# Altium PCB 400501.PcbDoc (part 3 of 4)
Units mm, origin at the board's own origin, x right, y up, seen from the top; angles counter-clockwise.
Board outline 53 x 53 mm, 4 copper layers (Top Layer, Mid-Layer 1, Mid-Layer 2, Bottom Layer), stack 1.518 mm thick; 236 components, 152 nets, 829 pads, 1158 vias.
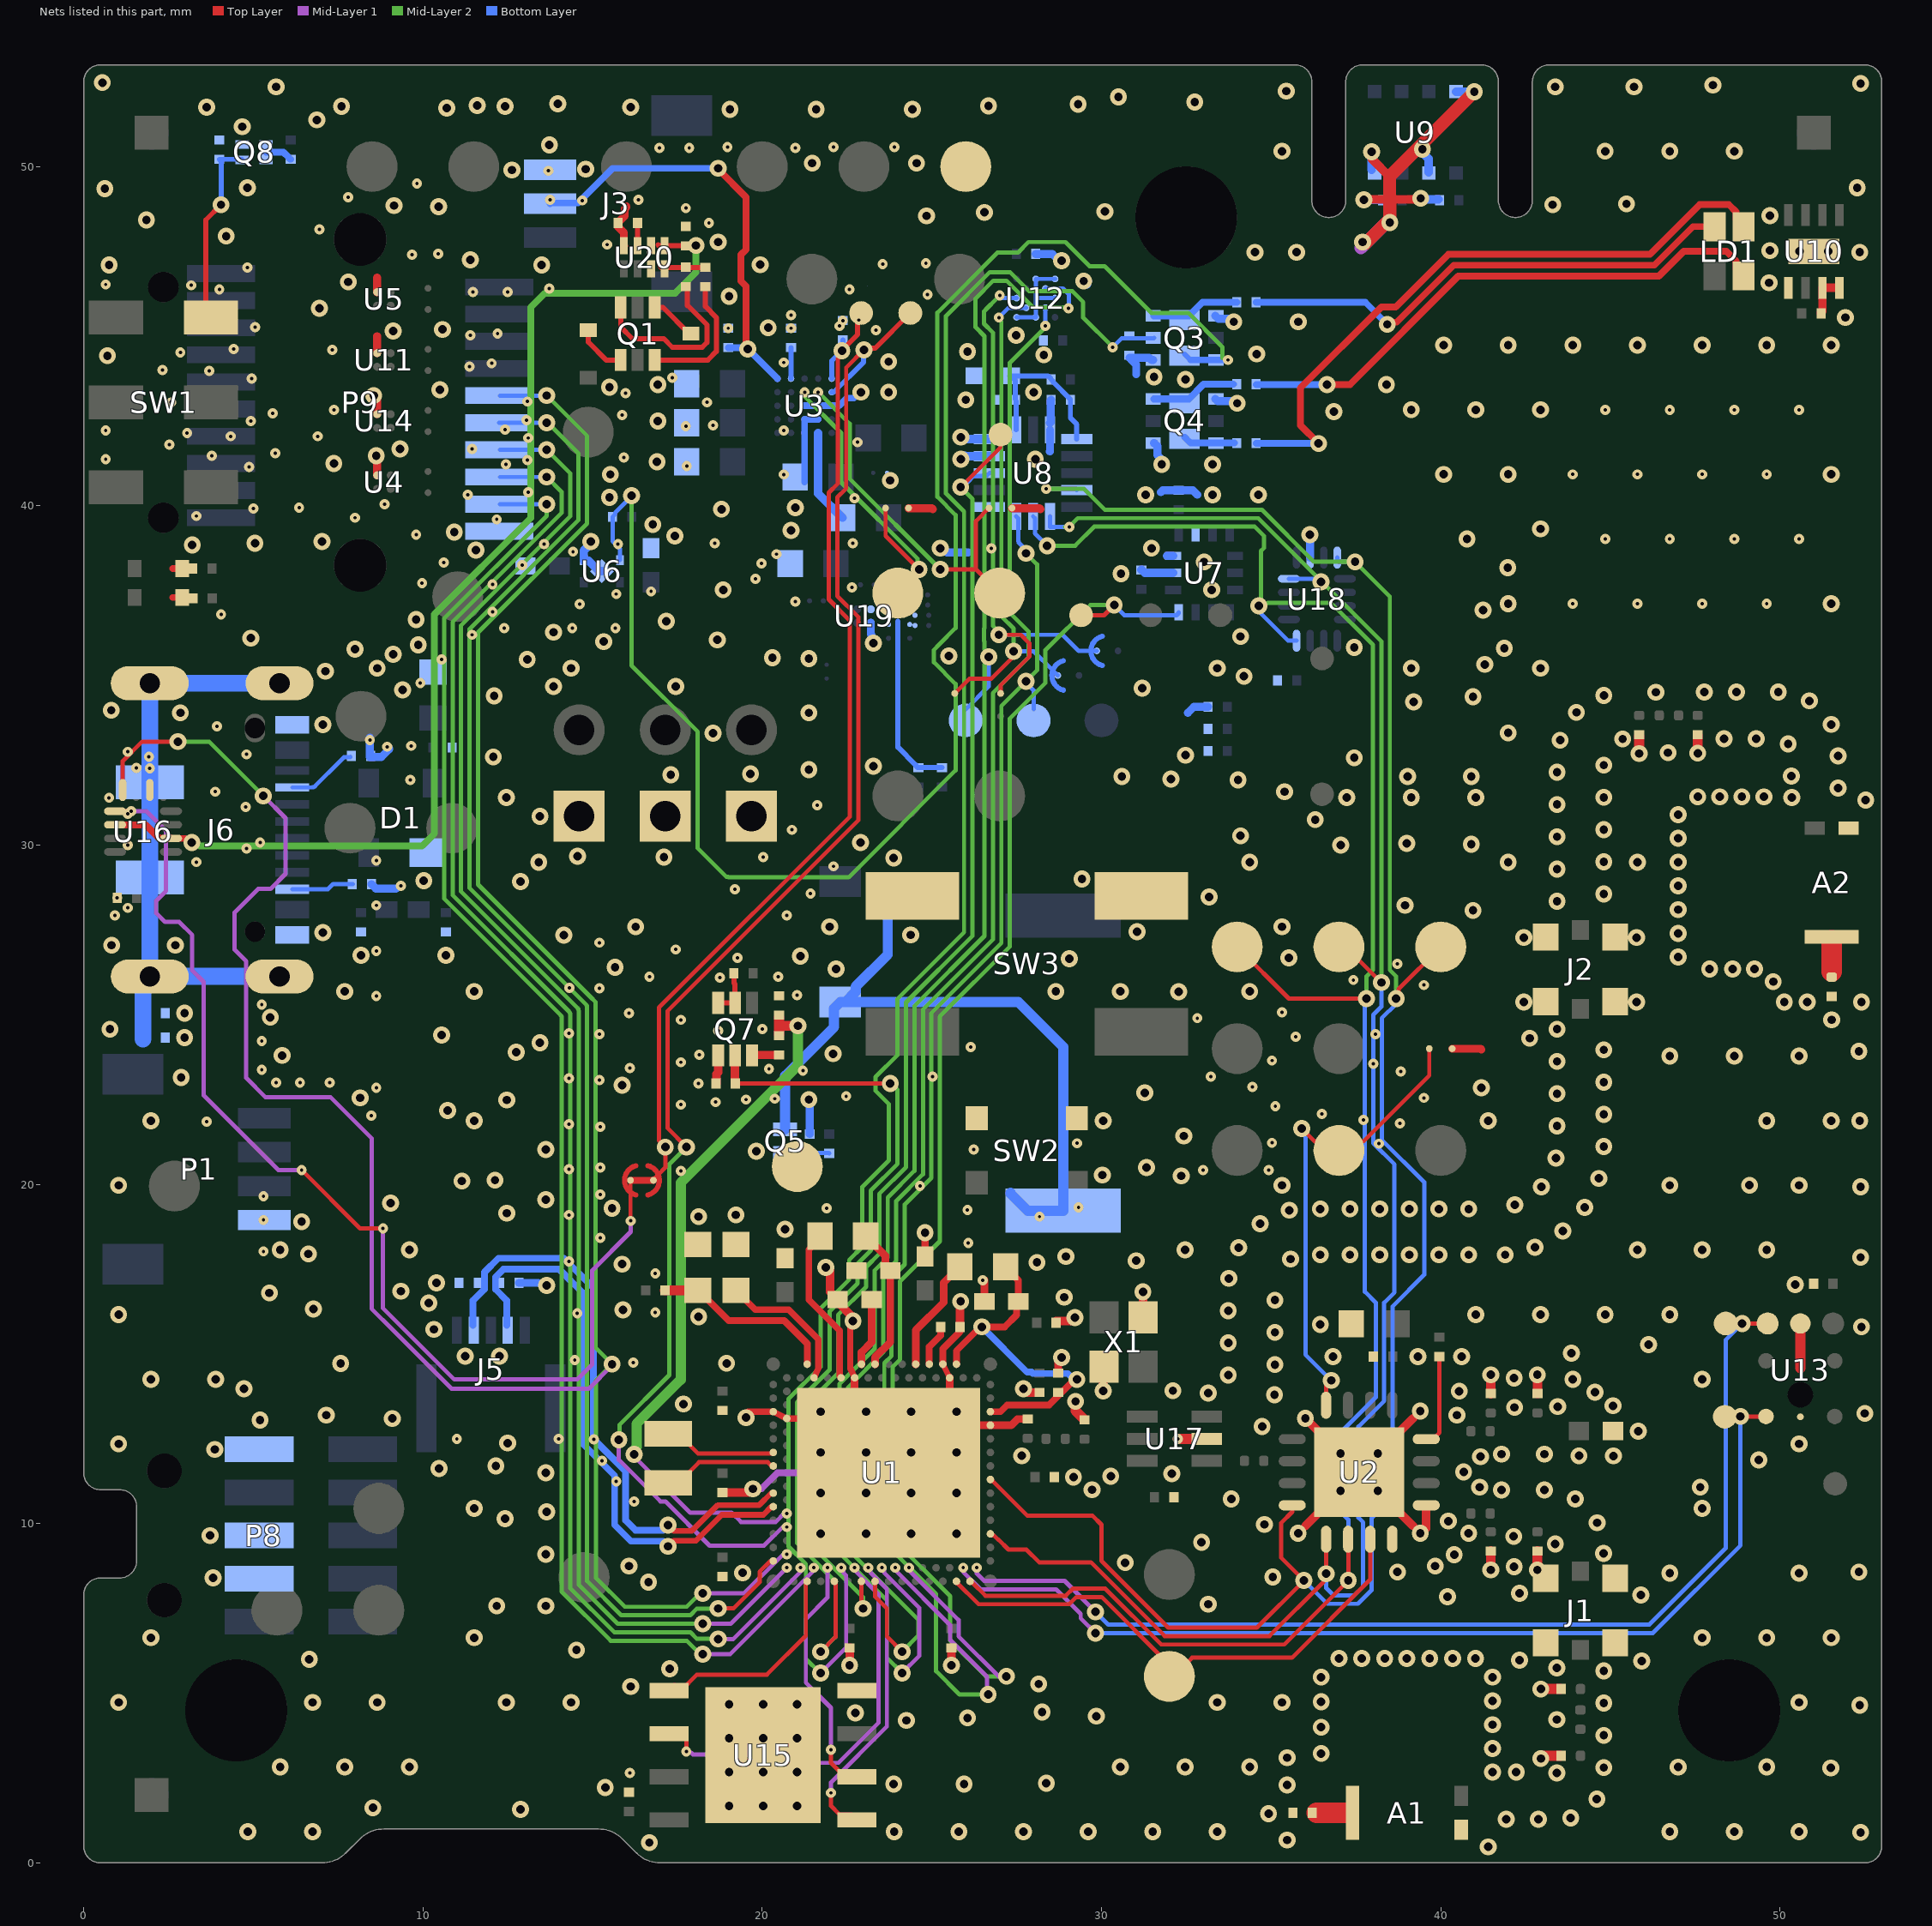
[diagram p5: the nets of this part, all layers, seen from the top]

## Via types
v1: diameter 0.5, hole 0.25, Top Layer to Bottom Layer, tented both sides, 843 vias
v2: diameter 0.3, hole 0.1, Top Layer to Mid-Layer 1, tented both sides, 281 vias
v3: diameter 0.3, hole 0.1, Mid-Layer 2 to Bottom Layer, tented both sides, 34 vias

## Nets (pads, with @x,y where several pads share a name; then routed paths per layer and width w, separated by ;. In a path a pad name is that pad's centre, name@x,y a point inside that pad or via, vN(x,y) a via of type N, cw(c..) or ccw(c..) an arc to the next point about the centre after c; other vN are vias at no path point) (continued)
GND: A1.2 A2.2 C1.1 C2.2 C3.1 C4.2 C5.1 C6.2 C7.1 C8.2 C9.2 C10.2 C11.2 C12.2 C13.2 C14.2 C15.2 C16.1 C17.2 C18.2 C19.1 C20.1 C21.1 C22.1 C23.1 C24.1 C26.1 C27.1 C28.1 C29.1 C30.2 C31.1 C32.2 C33.1 C34.1 C36.1 C37.1 C38.1 C39.1 C40.1 C41.1 C42.1 C43.1 C44.1 C45.1 C46.1 C47.1 C49.1 C50.1 C51.1 C52.1 C53.1 C54.2 C55.2 C56.2 C57.1 C58.1 C59.2 C60.2 C61.2 C62.2 D1.1 J1.2 J2.2 J3.1 J4.1 J6.1 J6.12 L7.1 P1.1 P3.1 P4.1 P5.1 P8.3 P8.5 P8.9 P9.20 Q3.1 Q3.4 Q4.1 Q4.4 Q5.2 Q7.1 Q8.2 R2.1 R7.1 R9.2 R15.1 R16.1 R20.1 R25.1 R27.1 R28.1 R29.1 R30.1 R31.1 R44.1 R45.1 R46.1 R48.2 SB6.2 SB8.2 SB9.2 SW2.1 SW3.1 TP17.1 TP21.1 U1.104 U1.A25 U1.B12 U1.B26 U1.G1 U1.H2 U1.J31 U2.1 U2.16 U2.17 U3.C3 U3.C4 U3.C5 U4.B1 U5.B1 U6.2 U6.5 U7.6 U7.7 U8.12 U8.13 U8.16 U9.1 U9.5 U9.7 U10.1 U10.3 U10.4 U10.9 U11.B1 U12.A5 U12.C1 U12.C5 U12.E1 U12.E3 U13.7 U13.8 U14.B1 U15.4 U15.9 U16.6 U17.2 U18.6 U19.B1 U20.8 X1.2 X1.4 | length 79.8
  Top Layer w0.165: U1.A25@25.325,14.7 U1.B26@25.525,14.3
  Top Layer w0.187: v1@19.584,13.3 U1.G1@20.325,13.3 U1.H2@20.725,13.1 U1.104@21.425,13.1 ; 22.594,14.57 U1.B12@22.725,14.3 ; 22.594,14.574 v1@22.594,15.9
  Top Layer w0.2: U1.A25@25.325,14.7 25.325,15.15 25.4,15.225 25.4,15.228 25.829,15.657 C6.2@25.829,15.8
  Top Layer w0.225: U1.104@22.325,12.9 U1.104@23.725,11.5 U1.104@24.02,11.5 ; U1.104@22.725,12.9 U1.B12@22.725,14.3 ; C2.2@24.8,17.85 24.8,18.425 v1@24.875,18.5 ; U1.104@25.125,12.9 27.34,12.9 27.525,13.085 C1.1@27.825,13.085 ; U1.104@25.525,12.9 U1.B26@25.525,14.3 ; v1(27.7,13.975) v1@27.81,13.865 ; C4.2@28.725,14.435 28.725,14.825 v1@28.8,14.9 ; v1@29.175,15.975 29.19,15.99 v1@29.19,16.072
  Top Layer w0.235: U4.B1@8.65,40.9 v1@8.65,41.4 ; U14.B1@8.65,42.7 v1@8.65,43.175 ; U11.B1@8.65,44.5 8.65,45 ; U5.B1@8.65,46.3 8.65,46.725 ; C62.2@15.755,48.222 15.923,48.055 15.923,47.667 U20.8@15.925,47.665 ; C62.2@15.755,48.337 15.755,48.352 15.948,48.545 15.948,48.751 16,48.804 16,48.825 ; SB9.2@24.313,39.925 25,39.925 25.025,39.9 ; C3.1@26.55,16.55 v2@26.55,17.175 ; SB8.2@27.363,39.925 28.175,39.925 28.2,39.9 ; SB6.2@40.338,24 41.175,24 41.2,23.975
  Top Layer w0.25: R25.1@18.64,22.975 18.65,22.985 18.65,23.25 18.7,23.3 Q7.1@18.7,23.8 ; C7.1@22.225,16.525 22.65,16.1 v1@22.65,15.95 ; C6.2@25.825,15.8 v1@25.825,16.55 ; v1@27.81,13.865 C14.2@28.175,13.865 ; C15.2@28.66,15.975 v1@29.175,15.975 ; C42.1@51.21,45.675 51.21,45.69 51.25,45.73 U10.3@51.25,46.425 U10.4@51.75,46.425
  Top Layer w0.254: C9.2@18.825,10.915 19.615,10.915 v1(19.725,11.025) ; v1@22,17.45 22,16.83 C7.1@22.225,16.605 ; v1(22.577,5.825) C11.2@22.577,6.34 ; v1(25.575,5.825) C12.2@25.575,6.34 ; v1@30.053,13.888 30.053,14.608 X1.4@30.075,14.63 ; v1(31.222,16.834) 31.222,16.084 X1.2@31.225,16.08 ; 36.011,9.931 v1(37.047,10.967) ; v1(36.011,13.103) v1(37.047,12.067) U2.17@37.597,11.517 ; v1@37.708,49.039 38.489,49.039 ; v1@37.962,50.359 37.98,50.341 37.98,50.214 38.489,49.705 ; v1(38.147,10.967) 39.183,9.931 ; v1(38.147,12.067) 39.183,13.103 ; 38.641,49.039 v1@39.485,49.039 ; v1@39.572,9.86 U2.1@39.572,10.542
  Top Layer w0.279: v1@41.472,8.744 C26.1@41.472,9.197 ; C27.1@41.472,13.83 v1@41.472,14.283 ; J1.2@42.847,8.744 C28.1@42.847,9.197 ; C29.1@42.85,13.835 v1@42.85,14.288
  Top Layer w0.3: v1(29.236,13.604) 29.236,13.324 C21.1@29.475,13.085 ; v2(32.248,12.5) U17.2@33.1,12.5 ; v1@42.95,3.159 C31.1@43.515,3.159 ; v1@42.984,5.125 L7.1@43.524,5.125 ; v1@45.85,32.658 C20.1@45.85,33.193 ; v1(47.575,32.71) C22.1@47.575,33.22 ; 50.6,14.58 U13.7@50.6,15.9
  Top Layer w0.381: v1@37.8,47.75 38.489,48.439 38.5,48.428 v1(38.5,48.35) 38.5,49.027 38.489,49.039 38.489,49.705 v1(40.99,52.206)
  Mid-Layer 1 w0.2: v1(19.725,11.025) 19.975,11.025 20.45,11.5 21.4,11.5
  Mid-Layer 1 w0.381: v1@37.65,47.6 38.489,48.439 38.5,48.428 v1(38.5,48.35)
  Bottom Layer w0.125: U12.A5@27.499,45.556 U12.C5@28.065,45.556 28.065,46.122 ; C51.1@28.06,47.425 C51.1@28.065,47.42 ; U12.E3@28.631,46.122 28.065,46.122 ; U12.E1@28.631,46.688 U12.C1@28.065,46.688 28.065,46.122
  Bottom Layer w0.2: U3.C3@21.25,42.95 U3.C4@21.65,42.95 U3.C5@22.05,42.95 22.266,42.95 22.491,43.175 22.7,43.175
  Bottom Layer w0.235: v3@8.435,33.165 8.435,32.6 8.775,32.6 9,32.825 9,32.85 v3(8.95,32.9) ; R27.1@8.485,28.85 8.615,28.72 9.205,28.72 ; C56.2@12.829,17.1 13.4,17.1 ; v1(21.375,22.5) 21.4,22.475 R29.1@21.4,21.485 ; U19.B1@23.2,36.55 23.2,36.212 23.224,36.188 23.224,36.001 v1(23.275,35.95) ; v1(25.25,38.75) 25.322,38.75 25.447,38.625 26.075,38.625 ; C51.1@28.06,47.425 28.555,47.425 28.755,47.225 v1(28.825,47.225) ; 28.475,41.6 28.485,41.61 U8.16@28.485,42.24 ; U8.16@28.48,42.44 28.5,42.46 28.5,43.11 C39.1@28.515,43.125 ; v1@29.575,46.525 29.575,46.6 v1@29.6,46.625 ; R28.1@30.825,44.365 R28.1@30.84,44.365 ; 31.025,43.875 31.025,44.165 30.858,44.333 30.858,44.348 R28.1@30.84,44.365 ; Q3.1@31.525,44.3 31.475,44.3 31.41,44.365 R28.1@30.84,44.365 ; Q4.1@31.545,41.85 31.56,41.85 31.653,41.758 31.653,41.495 v1@31.875,41.273 ; 31.75,40.4 31.81,40.46 C37.1@32.275,40.46 32.69,40.46 32.825,40.325 ; v1(31.775,41.225) v1@31.775,41.273 ; 32.55,33.9 32.725,34.075 R45.1@33.14,34.075 ; Q4.4@33.355,43.15 33.42,43.085 33.869,43.085 33.928,43.025 v1(34,43.025) ; Q3.4@33.355,45.6 33.444,45.511 33.842,45.511 33.928,45.425 v1@34,45.425 ; v1(36.145,39.15) 36.15,39.145 U18.6@36.15,38.475
  Bottom Layer w0.25: v1(14.95,38.95) 14.95,38.889 14.74,38.679 U6.2@14.74,38.4 14.74,38.385 14.75,38.375 14.89,38.375 15.19,38.075 U6.5@15.275,38.075 ; C36.1@31.175,38.11 31.19,38.11 31.273,38.027 31.573,38.027 31.575,38.025 U7.6@32.112,38.025 ; U7.7@31.927,38.525 U7.7@32.112,38.525
  Bottom Layer w0.254: v1@25.979,41.473 25.987,41.465 U8.12@26.698,41.465 ; v1@25.987,41.965 U8.13@26.698,41.965 ; v1@37.833,49.019 C40.1@38.282,49.019 ; U9.5@37.962,49.9 v1@37.962,50.359 ; v1@39.384,50.486 39.638,50.232 U9.7@39.638,49.824 ; v1@39.485,49.039 C41.1@39.938,49.039 ; U9.1@40.455,52.206 v1(40.99,52.206)
  other v1: 41.4,0.475 16.675,0.6 35.475,0.675 52.375,0.9 4.841,0.922 6.746,0.922 23.891,0.922 25.796,0.922 27.701,0.922 29.606,0.922 31.511,0.922 33.416,0.922 46.751,0.922 48.656,0.922 50.561,0.922 41.931,1.287 42.881,1.287 43.83,1.329 34.925,1.45 12.875,1.575 8.525,1.625 19.025,1.675 20.025,1.675 21.025,1.675 44.602,1.883 15.375,2.225 35.475,2.3 23.875,2.325 25.95,2.325 28.375,2.35 43.425,2.65 19.025,2.675 20.025,2.675 21.025,2.675 41.525,2.675 42.225,2.675 44.805,2.811 51.5,2.8 5.793,2.827 7.698,2.827 9.603,2.827 30.558,2.827 32.463,2.827 34.368,2.827 47,2.825 49.608,2.827 42.95,3.075 35.475,3.1 36.475,3.225 41.525,3.375 19.025,3.675 20.025,3.675 21.025,3.675 44.805,3.761 36.475,4 41.525,4.075 24.25,4.2 43.425,4.225 26.05,4.275 29.85,4.325 22.75,4.425 28.25,4.45 52.35,4.65 19.025,4.675 20.025,4.675 21.025,4.675 44.805,4.711 1.031,4.732 6.746,4.732 8.651,4.732 12.461,4.732 14.366,4.732 33.416,4.732 35.321,4.732 50.561,4.732 36.475,4.75 41.525,4.775 42.95,5.125 16.125,5.2 28.15,5.275 36.475,5.475 41.525,5.475 44.805,5.661 17.275,5.725 43.425,5.75 45.925,5.95 42.325,5.975 6.65,6 37,6.025 37.675,6.025 38.35,6.025 39,6.025 39.675,6.025 40.35,6.025 41.025,6.025 14.525,6.275 1.983,6.637 11.508,6.637 47.703,6.637 49.608,6.637 51.513,6.637 12.175,7.575 13.625,7.575 33.15,7.625 40.2,7.85 45.9,7.9 42.325,7.95 16.65,8.275 3.812,8.4 35.05,8.425 19.425,8.55 46.751,8.542 50.561,8.542 38.725,8.575 52.325,8.575 41.479,8.637 42.847,8.637 16.075,8.75 39.837,8.75 42.163,8.733 30.7,8.85 40.397,9.087 13.625,9.1 44.8,9.125 43.375,9.4 32.95,9.45 42.15,9.625 3.725,9.65 21.725,9.7 23.059,9.7 24.392,9.7 25.725,9.7 35.797,9.717 39.397,9.717 40.823,9.715 34.8,9.975 44.609,10.027 40.225,10.075 12.425,10.15 13.65,10.35 11.508,10.447 47.703,10.447 33.825,10.725 43.967,10.727 21.725,10.9 23.059,10.9 24.392,10.9 25.725,10.9 41.793,10.991 43.055,10.992 29.725,11 41.15,11.075 47.65,11.075 29.175,11.375 30.275,11.4 32.073,11.475 13.625,11.5 40.675,11.525 10.475,11.625 12.15,11.7 49.375,11.875 41.175,11.975 27.65,12 44.075,12 45.087,11.996 41.793,12.05 43.055,12.05 21.725,12.1 23.059,12.1 24.392,12.1 25.725,12.1 3.862,12.187 1.031,12.352 50.561,12.352 12.5,12.375 45.825,12.725 34.736,12.865 5.2,13.05 9.1,13.1 19.525,13.125 7.15,13.2 40.475,13.2 52.5,13.25 21.725,13.3 23.059,13.3 24.392,13.3 25.725,13.3 39.397,13.317 42.175,13.425 43.45,13.45 45.075,13.475 17.675,13.525 35.1,13.8 33.15,13.85 44.55,13.875 30.053,13.913 40.544,13.904 32.106,13.919 4.725,13.975 1.983,14.257 3.888,14.257 43.893,14.257 47.703,14.257 42.163,14.292 33.737,14.378 41.479,14.388 42.847,14.388 35.113,14.688 7.575,14.725 18.95,14.725 28.825,14.9 36.825,14.925 39.325,14.925 40.619,14.92 11.246,14.938 12.254,14.938 43.85,15.025 46.125,15.275 33.737,15.328 35.113,15.638 10.325,15.725 52.4,15.8 36.45,15.875 22.675,15.975 29.215,16.072 18.125,16.1 1.031,16.162 41.036,16.162 42.941,16.162 44.846,16.162 46.751,16.162 15.9,16.3 33.737,16.278 6.775,16.325 10.175,16.5 25.85,16.55 35.113,16.588 28.9,16.675 5.475,16.8 9.35,16.85 13.65,17.025 50.45,17.05 10.4,17.1 33.754,17.228 21.875,17.55 15.875,17.65 28.1,17.7 31.025,17.75 35.575,17.8 52.375,17.85 28.95,17.875 36.45,17.925 37.325,17.925 38.2,17.925 39.075,17.925 39.95,17.925 40.825,17.925 41.9,17.925 6.625,17.95 5.793,18.067 9.603,18.067 32.463,18.067 45.798,18.067 47.703,18.067 49.608,18.067 34.043,18.133 42.775,18.149 24.8,18.575 43.596,18.627 20.675,18.675 34.673,18.843 6.425,18.9 18.125,19.05 19.225,19.1 12.475,19.15 35.538,19.237 36.45,19.275 37.325,19.275 38.2,19.275 39.075,19.275 39.95,19.275 40.825,19.275 15.575,19.3 44.243,19.323 42.18,19.395 9.05,19.45 13.625,19.55 42.968,19.927 52.375,19.925 1.031,19.972 35.321,19.972 46.751,19.972 49.1,19.975 50.561,19.972 11.15,20.1 12.125,20.125 44.66,20.177 32.35,20.25 30.025,20.275 31.325,20.5 43.394,20.775 19.825,20.975 13.625,21.025 44.806,21.115 32.425,21.425 43.429,21.725 1.983,21.877 11.508,21.877 30.05,21.875 41.4,21.875 49.608,21.877 51.513,21.877 52.35,21.875 44.805,22.065 10.725,22.175 12.475,22.487 8.15,22.55 43.429,22.675 31.275,22.7 41.2,22.85 15.875,22.925 44.805,23.015 2.875,23.15 43.429,23.625 46.751,23.782 48.656,23.782 50.561,23.782 5.85,23.8 22.087,23.85 12.75,23.9 52.325,23.925 44.805,23.965 13.45,24.175 2.975,24.325 42.621,24.308 10.55,24.4 0.775,24.575 43.429,24.575 51.525,24.85 5.5,24.925 2.975,25.05 42.45,25.375 45.775,25.375 50.125,25.375 50.8,25.375 52.4,25.375 7.698,25.687 11.508,25.687 28.653,25.687 30.558,25.687 32.275,25.675 34.368,25.687 49.8,25.975 22.175,26.35 47.925,26.35 48.6,26.35 49.25,26.35 15.663,26.4 29.05,26.65 35.525,26.675 47,26.7 21.125,26.725 8.175,26.75 10.675,26.75 0.825,27.05 2.7,27.05 42.45,27.275 45.775,27.275 14.15,27.35 24.375,27.353 47,27.4 7.05,27.425 31.05,27.45 16.271,27.592 21.986,27.592 35.321,27.592 40.95,28.075 47,28.1 38.95,28.225 43.429,28.346 33.175,28.475 44.805,28.558 47,28.8 12.875,28.925 10.025,28.95 29.425,29 43.429,29.296 13.413,29.497 34.368,29.497 41.988,29.497 44.805,29.508 45.798,29.497 47,29.5 23.875,29.625 17.105,29.65 14.555,29.675 37.05,30 40.9,30.025 39,30.05 22.9,30.075 47,30.2 43.429,30.246 34.1,30.275 44.805,30.458 36.3,30.75 13.45,30.85 47,30.9 43.428,31.196 52.525,31.325 12.461,31.402 37.226,31.402 39.131,31.402 41.036,31.402 44.805,31.408 50.35,31.4 47.575,31.425 48.225,31.425 48.875,31.425 49.525,31.425 35.4,31.575 51.713,31.678 34.025,31.925 32.05,31.95 30.6,32.025 39.025,32.025 40.9,32.025 50.337,32.036 17.305,32.075 19.655,32.1 43.428,32.146 21.375,32.225 23.275,32.325 44.805,32.358 37.45,32.575 12.075,32.6 51.713,32.628 32.475,32.65 45.85,32.7 46.7,32.725 50.239,32.981 43.519,33.092 45.362,33.127 48.351,33.137 49.301,33.137 18.55,33.3 41.988,33.307 7.05,33.55 51.51,33.556 2.85,33.9 21.375,33.9 43.999,33.912 0.815,33.975 39.2,34.225 50.863,34.252 40.95,34.375 12.1,34.4 44.808,34.41 46.342,34.506 47.768,34.513 48.718,34.513 49.95,34.515 9.4,34.575 31.2,34.625 13.85,34.675 17.45,34.675 34.2,34.975 7.125,35.125 8.651,35.212 14.366,35.212 33.416,35.212 39.131,35.212 42.941,35.212 41.3,35.325 13.075,35.475 21.375,35.5 20.3,35.525 25.5,35.575 9.125,35.625 8,35.775 41.875,35.8 37.45,35.825 9.862,35.9 15.325,36 18.675,36.05 4.925,36.1 34.1,36.15 13.85,36.275 17.175,36.6 9.8,36.65 41.25,36.925 41.988,37.117 51.513,37.117 18.85,37.525 33.25,37.525 30.575,38 41.975,38.175 33.025,38.347 11.559,38.695 31.475,38.75 3.2,38.85 5.05,38.9 7.025,38.95 40.775,39.025 17.425,39.112 10.925,39.225 20.85,39.275 42.941,39.321 16.775,39.45 18.8,39.9 20.975,39.95 15.5,40.25 31.3,40.325 33.275,40.325 34.625,40.325 23.775,40.75 15.525,40.925 40.083,40.927 41.988,40.927 51.513,40.927 33.275,41.225 7.375,41.25 16.9,41.3 25.854,41.373 28.05,41.375 8.625,41.475 9.325,41.675 25.854,42.023 16.925,42.5 36.85,42.775 39.131,42.832 41.036,42.832 42.941,42.832 26,43.125 8.55,43.25 22.913,43.35 23.725,43.35 28,43.35 10.5,43.425 15.5,43.5 16.925,43.575 38.4,43.575 32.475,43.725 31.55,43.8 23.725,44.25 0.7,44.425 28.3,44.45 34.575,44.475 26.05,44.55 40.083,44.737 41.988,44.737 43.893,44.737 45.798,44.737 47.703,44.737 49.608,44.737 51.513,44.737 27.488,45.025 9.125,45.15 10.575,45.2 20.177,45.25 33.9,45.425 35.8,45.425 51.925,45.55 6.95,45.825 19.025,46.175 49.675,46.575 7.8,46.6 29.475,46.625 0.75,47.1 13.5,47.1 19.943,47.107 11.4,47.25 34.525,47.475 35.75,47.475 52.35,47.475 50.575,47.5 51.425,47.5 49.7,47.525 18.7,47.775 37.7,47.775 4.2,47.95 1.85,48.425 24.843,48.547 49.7,48.55 26.55,48.65 30.1,48.675 10.466,48.816 9.15,48.85 43.3,48.875 45.475,48.9 37.734,49.019 39.41,49.064 0.625,49.35 4.825,49.375 52.275,49.375 12.625,49.9 14.8,49.925 21.475,50.1 24.55,50.1 37.962,50.434 35.321,50.452 44.846,50.452 46.751,50.452 48.656,50.452 39.459,50.511 13.727,50.638 4.675,51.175 6.875,51.375 19.05,51.684 21.59,51.684 24.43,51.684 10.7,51.725 3.625,51.75 16.125,51.75 7.6,51.775 12.425,51.775 26.67,51.786 11.6,51.8 29.312,51.836 13.975,51.85 32.75,51.9 30.5,52.05 35.45,52.225 5.675,52.35 43.375,52.35 45.7,52.35 48.025,52.4 52.375,52.45 0.55,52.475
  other v2: 16.1,2.65 16.225,10.65 15.7,11.25 15.275,11.85 15.039,12.486 11,12.5 14,12.5 16.2,14.75 14.475,14.825 14.55,16.2 16.85,16.225 26.5,17.175 16.85,17.375 14.3,17.725 5.3,18.025 26.075,18.275 15.225,18.425 5.3,18.95 28.175,19.05 14.3,19.1 26.05,19.25 21.9,19.3 29.325,19.325 5.3,19.65 15.225,19.7 24.65,19.95 17.6,20.4 33,20.425 34.925,20.425 14.3,20.45 15.225,20.5 26.238,21.026 38.175,21.2 29.28,21.212 35.025,21.225 15.225,21.7 14.3,21.775 38.8,21.8 3.625,21.85 37.725,21.9 8.475,22.025 36.5,22.075 35.125,22.3 17.6,22.35 18.625,22.425 19.525,22.5 20.375,22.525 39.5,22.55 22.475,22.6 8.625,22.85 34.45,22.875 18.125,22.975 5.675,23 6.375,23 7.25,23 15.2,23.075 14.3,23.125 25.025,23.175 33.225,23.175 38.825,23.325 21.2,23.35 5.25,23.375 20.2,23.4 16.1,23.425 38.013,23.558 17.6,23.6 35.025,23.65 18.15,23.825 26.15,24.05 5.25,24.225 35.725,24.35 15.2,24.425 38.075,24.425 14.3,24.45 18.702,24.525 20,24.575 17.6,24.85 32.825,24.9 16.075,25.05 35.325,25.075 5.25,25.3 8.625,25.55 21.025,25.575 15.2,25.775 14.321,25.788 39.5,25.875 37.425,26.025 18.75,26.1 16.675,26.125 20.475,26.125 38.725,26.5 19.275,26.675 8.625,26.875 17.45,26.925 15.2,27.125 0.925,27.925 20.725,27.925 8.625,28.225 0.99,28.45 21.425,28.575 19.2,28.7 22.1,29.375 8.625,29.55 20.025,29.65 4.8,29.9 5.2,30.075 20.875,30.45 4.775,31.125 21.625,31.175 0.75,31.396 1.55,32.275 1.95,32.259 1.925,32.6 4.8,32.675 9.925,34.775 10.55,35.475 11.45,36.2 4.05,36.8 12.05,36.875 14.625,37.1 43.893,37.117 45.798,37.117 47.703,37.117 49.608,37.117 20.975,37.175 15.7,37.4 16.725,37.476 22.65,37.6 12.05,37.685 9.975,37.725 19.8,37.85 12.925,38.25 10.612,38.326 20.425,38.575 14.425,38.65 26.75,38.75 13.575,38.875 15.75,38.875 18.6,38.9 22.675,38.9 44.846,39.022 46.751,39.022 48.656,39.022 50.561,39.022 9.8,39.15 12.175,39.6 7.999,39.65 3.325,39.7 5,39.925 6.35,39.95 8.875,40.05 22.725,40.225 11.325,40.325 13.1,40.4 20.637,40.925 43.893,40.927 45.798,40.927 47.703,40.927 49.608,40.927 4.875,41.15 17.775,41.175 12.45,41.225 13.075,41.35 0.65,41.375 15.925,41.425 3.775,41.475 5.65,41.55 11.45,41.675 2.522,41.8 22.813,41.875 13.1,42 4.334,42.05 6.9,42.05 3.05,42.15 0.65,42.225 20.637,42.225 12.425,42.25 17.75,42.35 18.55,42.375 4.925,42.5 13.05,42.525 15.875,42.675 5.575,42.725 7.375,42.825 44.846,42.832 46.751,42.832 48.656,42.832 50.561,42.832 2.575,43.05 18.375,43.05 13.075,43.075 15.975,43.325 4.95,43.75 17.35,43.775 3.7,43.975 2.325,44 11.375,44.1 12.025,44.2 20.637,44.224 2.85,44.525 7.325,44.6 4.425,44.625 11.4,45.025 12.2,45.075 23.35,45.175 5.054,45.262 22.275,45.3 24.875,46.225 11.475,46.3 12.5,46.3 4,46.375 22.575,46.375 13.725,46.4 3.175,46.5 0.65,46.525 4.825,47.025 24.825,47.15 9.675,47.4 10.45,47.425 15.425,47.7 6.95,48.15 18.431,48.336 17.75,48.775 14.7,49 13.75,49.025 16.35,49.025 7.8,49.1 9.825,49.5 13.7,49.875 16.975,50.55 17.85,50.55 20.975,50.55 18.975,50.575 22.1,50.575 23.9,50.575